# Altium PCB pcb.PcbDoc (part 2 of 2)
Units mm, origin at the board's own origin, x right, y up, seen from the top; angles counter-clockwise.
Board outline 182.3 x 81.4 mm, 4 copper layers (Top Layer, Layer 1, Layer 2, Bottom Layer), stack 1.539 mm thick; 89 components, 207 nets, 648 pads, 198 vias.
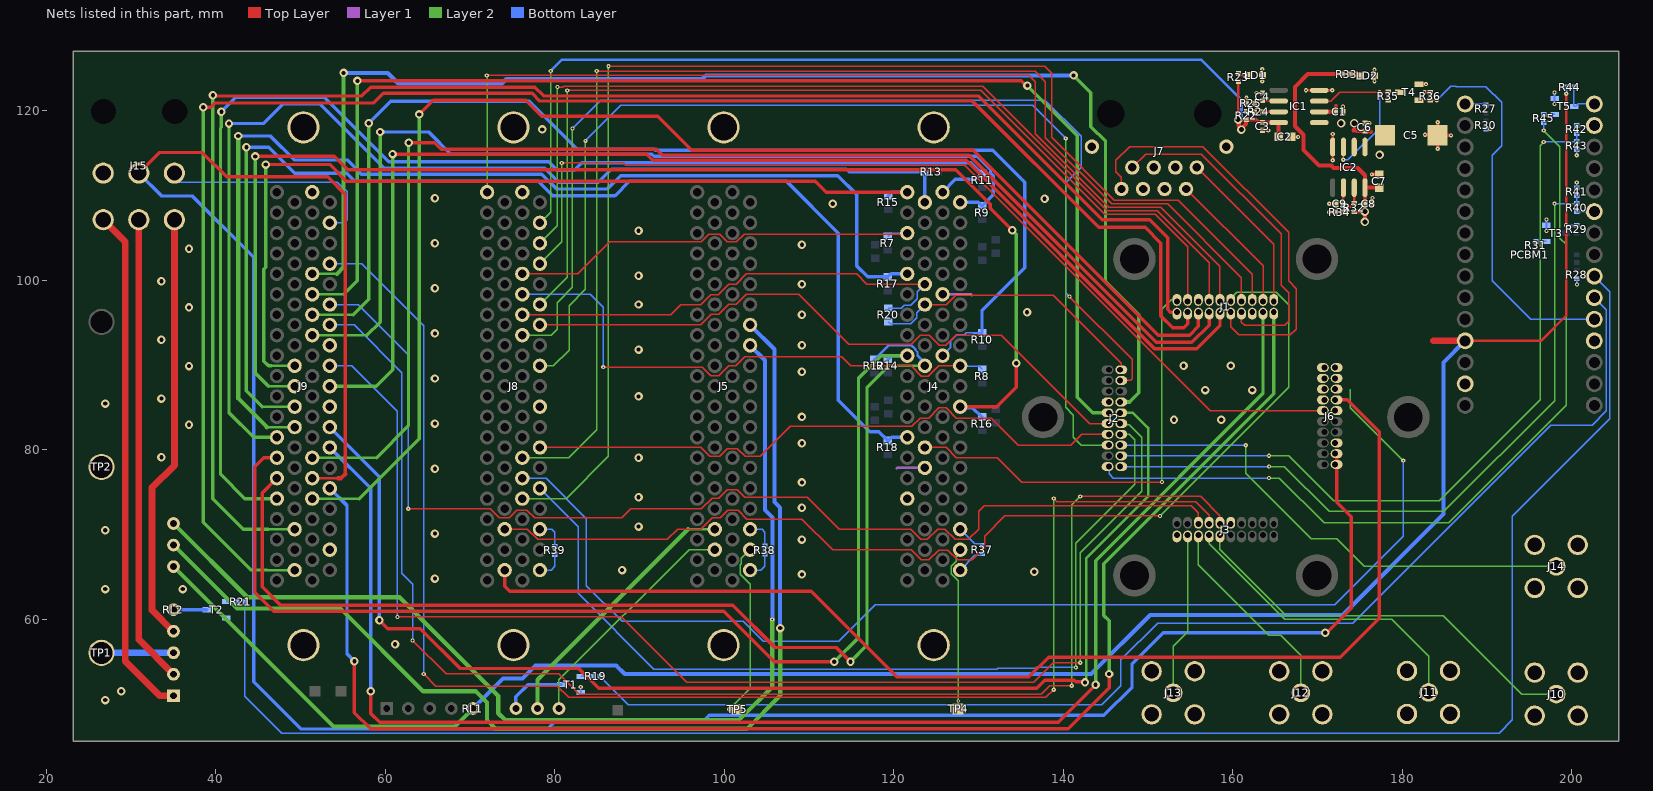
[diagram p4: the nets of this part, all layers, seen from the top]

## Via types
v1: diameter 1, hole 0.5, Top Layer to Bottom Layer, tented both sides, 96 vias
v2: diameter 0.5, hole 0.2, Top Layer to Bottom Layer, tented both sides, 94 vias
v3: diameter 1, hole 0.6, Top Layer to Bottom Layer, tented both sides, 7 vias
v4: diameter 0.4, hole 0.2, Top Layer to Bottom Layer, tented both sides, 1 vias

## Nets (pads, with @x,y where several pads share a name; then routed paths per layer and width w, separated by ;. In a path a pad name is that pad's centre, name@x,y a point inside that pad or via, vN(x,y) a via of type N, cw(c..) or ccw(c..) an arc to the next point about the centre after c; other vN are vias at no path point) (continued)
DP6: J4.3 J8.44 R7.1 | length 51
  Top Layer w0.152: J8.44@76.16,100.755 82.68,100.755 86.447,104.522 97.278,104.522 98.184,105.428 99.438,105.428 100.345,104.522 101.419,104.522 102.325,105.428 121.433,105.428 J4.3@121.579,105.575 J4.3@121.929,105.575
  Bottom Layer w0.152: R7.1@119.3,105.2 119.35,105.2 119.725,105.575 J4.3@121.579,105.575
DP7: J4.68 J8.45 R8.1 | length 64.9
  Top Layer w0.152: v2(85.7,89.758) 97.392,89.758 98.4,88.75 99.35,88.75 100.5,89.9 101.35,89.9 102.418,90.968 113.87,90.968 114.923,89.915 122.039,89.915 123.249,88.705 124.055,88.705 125.265,89.915 J4.68@127.819,89.915
  Bottom Layer w0.152: J8.45@76.16,98.345 84.18,98.345 85.7,96.825 v2(85.7,89.758) ; J4.68@127.819,89.915 127.856,89.879 130.076,89.879 R8.1@130.45,89.505
DP8: J4.60 J9.47 R9.1 | length 112.7
  Layer 2 w0.3: J9.47@51.37,93.525 57.825,93.525
  Layer 2 w0.4: 57.825,93.525 59.375,95.075 v1(59.375,117.5)
  Bottom Layer w0.4: v1(59.375,117.5) 65.1,117.5 67.7,114.9 91.45,114.9 91.7,114.65 129.866,114.65 131.395,113.12 131.395,112.68 131.725,112.35 131.725,110.075 130.45,108.8 R9.1@130.4,108.8 130.35,108.8 129.955,109.195 J4.60@127.819,109.195
DP9: J4.48 J9.46 R10.1 | length 136.7
  Layer 2 w0.3: J9.46@51.37,95.935 56.215,95.935
  Layer 2 w0.4: 56.215,95.935 58.05,97.77 v1(58.05,118.525)
  Bottom Layer w0.21: J4.48@125.739,91.115 126.664,92.04 126.664,92.803 127.441,93.58 128.298,93.58 128.518,93.8 129.334,93.8
  Bottom Layer w0.25: 129.334,93.8 R10.1@130.4,93.8
  Bottom Layer w0.4: v1(58.05,118.525) 60.65,121.125 76.975,121.125 82.6,115.5 91.699,115.5 91.849,115.35 131.65,115.35 135.425,111.575 135.425,101.482 130.4,96.457 R10.1@130.4,93.8
DP10: J4.40 J9.16 R11.1 | length 151.1
  Layer 2 w0.4: v1(40.65,119.9) 40.65,118.065 40.55,117.965 40.55,77.125 43.43,74.245 J9.16@47.21,74.245
  Bottom Layer w0.4: v1(40.65,119.9) 42.325,121.575 52.8,121.575 60.375,114 79.3,114 80.3,113 82.275,113 83.15,113.875 129.075,113.875 R11.1@130.35,112.6 ; J4.40@125.739,110.395 127.258,111.913 129.663,111.913 R11.1@130.35,112.6 ; R11.1@130.4,112.6 R11.1@130.35,112.6
DP11: J4.29 J9.15 R12.1 | length 135.8
  Top Layer w0.4: J9.15@47.21,76.655 45.46,74.905 45.46,63.84 47.625,61.675 100.975,61.675 105.975,56.675 113.185,56.675 v1(114.88,54.98)
  Layer 2 w0.3: 119.39,89.915 J4.29@123.659,89.915
  Layer 2 w0.4: v1(114.88,54.98) 116.825,56.925 116.825,87.35 119.39,89.915
  Bottom Layer w0.21: 122.532,91.795 122.532,91.858
  Bottom Layer w0.24: 122.532,91.795 122.8,91.528 122.8,91.153
  Bottom Layer w0.3: R12.1@117.7,90.7 117.75,90.7 119.375,92.325 122.075,92.325 122.532,91.868 122.532,91.858 ; 122.8,91.153 123.659,90.294 J4.29@123.659,89.915
DP12: J4.21 J9.13 R13.1 | length 132.1
  Layer 2 w0.4: v1@41.55,118.325 41.55,84.375 44.45,81.475 J9.13@47.21,81.475
  Bottom Layer w0.4: v1(41.55,118.5) 45.573,118.5 47.873,120.8 52.3,120.8 59.875,113.225 78.8,113.225 80.475,111.55 85.1,111.55 86.675,113.125 114.4,113.125 114.55,112.974 114.725,112.8 R13.1@123.637,112.8 123.659,112.777 J4.21@123.659,109.195
DP13: J4.9 J9.14 R14.1 | length 133.6
  Top Layer w0.4: J9.14@47.21,79.065 45.625,79.065 44.575,78.015 44.575,63.188 46.813,60.95 77.16,60.95 99.925,60.95 105.875,55 v1(112.975,55)
  Layer 2 w0.4: v1(112.975,55) 115.825,57.85 115.825,88.45 118.49,91.115 J4.9@121.579,91.115
  Bottom Layer w0.4: R14.1@119.3,90.7 119.35,90.7 119.765,91.115 J4.9@121.579,91.115
DP14: J4.1 J9.29 R15.1 | length 106.6
  Top Layer w0.4: v1(45.875,113.66) 45.885,113.67 53.43,113.67 55.4,111.7 110.725,111.7 112.03,110.395 J4.1@121.579,110.395
  Layer 2 w0.3: 46.525,89.905 J9.29@49.29,89.905
  Layer 2 w0.4: v1(45.875,113.66) 45.875,101.546 45.65,101.321 45.65,90.465 46.21,89.905 46.525,89.905
  Bottom Layer w0.4: R15.1@119.329,109.995 119.703,110.369 121.553,110.369 J4.1@121.579,110.395
DP15: J4.70 J9.30 R16.1 | length 153.4
  Top Layer w0.4: v1(44.65,114.621) 53.954,114.621 55.55,113.025 127.325,113.025 131.368,108.982 131.368,108.507 v1(133.975,105.9) ; J4.70@127.819,85.095 132.16,85.095 134.425,87.359 v1(134.425,90.205)
  Layer 2 w0.3: 46.21,87.505 J9.30@49.29,87.505
  Layer 2 w0.4: v1(44.65,114.621) 44.65,89.065 46.21,87.505 ; v1(133.975,105.9) 133.975,105.873 134.425,105.423 v1(134.425,90.205)
  Bottom Layer w0.4: J4.70@127.819,85.095 127.934,84.98 129.269,84.98 130.35,83.899 R16.1@130.4,83.899
DP16: J4.5 J9.32 R17.1 | length 131.3
  Layer 2 w0.3: 46.015,82.675 J9.32@49.29,82.675
  Layer 2 w0.5: v1@42.625,117.04 42.65,117.015 42.65,86.04 46.015,82.675
  Bottom Layer w0.4: v1(42.638,117.027) 46.402,117.027 49.23,114.2 55.5,114.2 57.175,112.525 78.456,112.525 80.206,110.775 86.2,110.775 87.775,112.35 113.4,112.35 115.625,110.125 115.625,101.689 116.914,100.4 R17.1@119.3,100.4 119.655,100.755 J4.5@121.579,100.755
DP17: J4.13 J9.31 R18.1 | length 140.6
  Layer 2 w0.3: 45.46,85.095 J9.31@49.29,85.095
  Layer 2 w0.4: v1(43.6,115.7) 43.6,86.955 45.46,85.095
  Bottom Layer w0.4: v1(43.6,115.7) 46.225,115.7 49.282,112.643 55.427,112.643 56.37,111.7 78.05,111.7 79.75,110 87.1,110 88.8,111.7 107.33,111.7 113.45,105.58 113.45,85.845 117.178,82.117 118.233,82.117 119.25,81.1 R18.1@119.3,81.1 119.35,81.1 119.725,81.475 J4.13@121.579,81.475
DRAIN_MUX_N: J2.20 J4.26 R20.2 | length 33.5
  Top Layer w0.152: J4.26@123.659,97.145 126.165,97.145 127.276,98.255 138.809,98.255 146.837,90.227 146.837,89.624 J2.20@146.662,89.449
  Bottom Layer w0.152: R20.2@119.329,95.11 119.558,94.882 122.016,94.882 122.69,95.555 122.69,96.175 J4.26@123.659,97.145
DRAIN_MUX_P: J4.25 J8.46 R20.1 | length 56
  Top Layer w0.152: J8.46@76.16,95.935 93.669,95.935 94.879,97.145 97.22,97.145 98.4,98.325 99.275,98.325 100.5,99.55 101.384,99.55 102.588,100.755 115.624,100.755 116.824,99.555 J4.25@123.659,99.555
  Bottom Layer w0.152: R20.1@119.329,96.71 120.865,96.71 121.21,97.055 122.005,97.055 122.782,97.832 122.782,98.677 J4.25@123.659,99.555
G0: J2.5 J8.68 | length 129.9
  Layer 2 w0.152: J8.68@78.24,89.915 79.819,89.915 81.676,91.772 81.676,97.026 83.6,98.95 v2(83.6,116.45) ; v2(140.265,116.746) 140.265,85.004 141.178,84.091 141.178,81.472 142.091,80.559 J2.5@145.392,80.559
  Bottom Layer w0.152: v2(83.6,116.45) 87.793,120.643 136.368,120.643 v2(140.265,116.746)
G1: J2.9 J8.66 | length 76.8
  Top Layer w0.152: J8.66@78.24,94.735 97.21,94.735 98.45,95.975 99.35,95.975 100.525,97.15 101.4,97.15 102.595,98.345 108.754,98.345 114.649,92.45 122.057,92.45 123.131,93.525 124.175,93.525 125.375,92.325 126.115,92.325 127.315,93.525 132.675,93.525 143.101,83.099 J2.9@145.392,83.099
G2: J2.7 J8.72 | length 73
  Top Layer w0.152: J8.72@78.24,80.275 97.224,80.275 98.278,79.222 99.461,79.222 100.358,80.118 101.541,80.118 102.438,79.222 104.248,79.222 107.785,82.759 122.109,82.759 123.088,83.738 124.103,83.738 125.303,84.938 126.176,84.938 127.376,83.738 131.512,83.738 134.691,80.559 140.892,80.559 142.162,81.829 J2.7@145.392,81.829
G3: J2.8 J8.74 | length 108.6
  Layer 2 w0.152: v2(141.475,54.325) 141.475,68.964 148.44,75.93 148.44,81.172 147.783,81.829 J2.8@146.662,81.829
  Bottom Layer w0.152: J8.74@78.24,75.455 82.75,70.945 82.75,63.05 91.675,54.125 132.136,54.125 132.235,54.224 136.724,54.224 136.825,54.325 v2(141.475,54.325)
G4: J2.10 J9.68 | length 152.1
  Top Layer w0.152: v2(61.425,60.275) 87.825,60.275 95.552,52.548 136.473,52.548 138.825,54.9 141.975,54.9 v2(142,54.875)
  Layer 2 w0.152: v2(142,54.875) 142,67.871 149.225,75.096 149.225,81.5 147.766,82.959 146.803,82.959 J2.10@146.662,83.099
  Bottom Layer w0.152: J9.68@53.45,89.915 56.035,89.915 61.425,84.525 v2(61.425,60.275)
G5: J3.12 J9.66 | length 164.9
  Top Layer w0.152: v2(63.205,57.5) 67.155,53.55 77.6,53.55 77.603,53.553 80.472,53.553 82.805,51.22 ccw(c82.913,51.327) 82.913,51.175 137.312,51.175 ccw(c137.312,51.327) 137.42,51.22 138.375,52.175 v2(141,52.175) ; v2(142,74.5) 156.213,74.5 158.473,72.24 J3.12@158.473,71.224
  Layer 2 w0.152: v2(141,52.175) 141,73.5 v2(142,74.5)
  Bottom Layer w0.152: J9.66@53.45,94.735 56.3,94.735 61.935,89.1 61.935,65.415 63.205,64.145 v2(63.205,57.5)
G6: J3.14 J9.63 | length 173.8
  Top Layer w0.152: v2(64.525,53.55) 65.95,52.125 80.277,52.125 81.55,50.852 ccw(c81.658,50.96) 81.658,50.808 137.895,50.808 ccw(c137.895,50.96) 138.002,50.852 v2(138.85,51.7) ; v2(138.85,74.245) 139.195,73.9 155.602,73.9 157.203,72.299 J3.14@157.203,71.224
  Layer 2 w0.152: v2(138.85,51.7) v2(138.85,74.245)
  Bottom Layer w0.152: J9.63@53.45,101.965 57.235,101.965 64.545,94.655 64.545,53.57 v2(64.525,53.55)
G7: J3.16 J9.65 | length 133.8
  Top Layer w0.152: v2(62.705,73.035) 72.397,73.035 73.44,71.992 74.624,71.992 75.52,72.888 76.704,72.888 77.6,71.992 87.88,71.992 88.933,73.045 97.295,73.045 98.55,74.3 99.35,74.3 100.348,75.298 101.527,75.298 102.423,74.402 109.782,74.402 113.549,70.635 121.965,70.635 123.175,69.425 123.944,69.425 125.154,70.635 126.019,70.635 127.229,69.425 128.79,69.425 130,70.635 130,72.766 130.659,73.425 155.075,73.425 155.933,72.567 155.933,71.473 156.007,71.399 155.933,71.325 J3.16@155.933,71.224
  Bottom Layer w0.152: J9.65@53.45,97.145 56.78,97.145 62.705,91.22 v2(62.705,73.035)
GATE_MUX: J2.18 J8.47 | length 126.4
  Top Layer w0.152: v2(140.718,98.085) 148.112,90.691 148.112,88.367 147.924,88.179 146.85,88.179 146.662,87.991 J2.18@146.662,88.179
  Layer 2 w0.152: J8.47@76.16,93.535 J8.47@76.16,93.525 76.17,93.535 79.547,93.535 80.257,94.245 80.257,97.381 82.068,99.193 v2(82.068,117.903)
  Bottom Layer w0.152: v2(82.068,117.903) 85.415,121.25 137.825,121.25 142.1,116.975 142.1,113.325 140.265,111.49 140.265,98.538 v2(140.718,98.085)
GND: C1.1 C2.1 C3.1 C4.1 C5.2 C6.1 C7.1 C8.1 C9.1 IC1.4 IC2.4 J1.5 J1.16 J2.13 J3.10 J3.19 J4.16 J4.34 J4.45 J4.79 J4.80 J5.79 J5.80 J6.9 J6.15 J7.3 J7.4 J7.5 J7.6 J7.SHIELD J8.40 J8.70 J8.79 J8.80 J9.40 J9.70 J9.79 J9.80 J10.2 J11.2 J12.2 J13.2 J14.2 J15.1 LD1.1 LD2.1 PCBM1.4 PCBM1.29 R25.1 R28.1 R30.1 R34.1 R36.2 R41.1 R43.1 T1.2 T2.2 T3.2 T4.2 T5.2 TP2.1 | length 31.8
  Top Layer w0.2: R25.1@161.594,120.864 v2(161.594,121.539) ; v2(162.819,122.114) C4.1@163.494,122.114 ; v2(163.475,123.5) LD1.1@163.475,124.175 ; LD1.1@163.475,124.225 v2(163.475,124.9) ; C3.1@163.494,117.664 v2(164.169,117.664)
  Top Layer w0.254: v2(168.631,122.419) IC1.4@170.194,122.419 v2(171.718,122.419) ; v2(171.775,114.173) IC2.4@171.775,115.735 v2(171.775,117.259)
  Top Layer w0.3: v2(176.7,123.475) 176.701,123.476 176.701,124.849 v2(176.7,124.85)
  Top Layer w0.4: C2.1@167.019,116.914 v2(167.694,116.914) ; v2(171.36,108.035) R34.1@172.035,108.035 ; v2(171.38,109.035) C9.1@172.055,109.035 ; C1.1@173,119.9 v2(173,120.5) ; C6.1@175.58,118.529 175.582,118.527 176.098,118.527 v2(176.1,118.525) ; v2(176.4,112.5) C7.1@177.075,112.5 ; C8.1@176.475,109.05 v2(176.475,109.725) ; T4.2@182.12,123.149 v2(182.795,123.149) ; v2(182.61,122.193) R36.2@183.285,122.193 ; v2(182.674,117.166) C5.2@183.274,117.166 ; v2(184.16,115.526) C5.2@184.16,116.126 ; C5.2@184.167,118.061 v2(184.167,118.661) ; C5.2@185.13,117.101 v2(185.73,117.101)
  Layer 1 w0.3: 120.34,77.825 120.379,77.865 J4.34@123.659,77.865 ; J4.45@125.739,98.345 129.08,98.345 129.169,98.255
  Bottom Layer w0.2: T1.2@83.05,51.355 v2(83.05,52.02) ; v2(197,105.825) T3.2@197,106.5 v2(197,107.175) ; v2(197.95,120.795) T5.2@197.95,121.445 ; T5.2@197.95,121.505 v2(197.95,122.155) ; R28.1@200.575,100.205 200.58,100.2 200.58,99.52 v2(200.6,99.5) ; R41.1@200.575,110.9 v2(200.575,111.55) ; v2(200.575,114.75) R43.1@200.575,115.4
  Bottom Layer w0.4: R30.1@189.85,117.855 v2@190.366,117.855
  other v1: 26.954,50.475 28.825,51.5 61.15,57.05 26.954,63.575 36.094,63.575 65.841,64.805 109.15,65.3 136.55,65.6 87.925,65.805 109.15,69.415 65.841,70.125 26.954,70.5 89.875,70.945 109.15,73.175 89.875,74.402 109.15,76.155 65.841,77.775 89.875,79.055 33.579,79.125 109.15,80.775 36.829,82.95 65.841,83.095 153.05,83.55 158.618,83.55 109.15,83.875 26.954,85.45 33.579,86.05 89.875,86.295 156.725,87.05 162.293,87.05 65.841,88.415 109.15,89.205 36.829,89.875 154.175,89.925 159.743,89.925 89.875,91.825 109.15,92.325 33.579,92.974 65.841,93.735 109.15,95.935 135.718,96.245 36.829,96.8 89.875,97.145 65.841,99.055 109.15,99.545 33.579,99.899 89.875,100.535 36.829,103.724 109.15,104.2 65.841,104.375 89.875,105.855 112.785,109.038 137.776,109.623 65.841,109.695 78.5,117.8
  other v2: 190.368,117.857
ICS_OUT: J1.1 J4.33 | length 52.3
  Top Layer w0.152: J4.33@123.659,80.275 126.161,80.275 127.361,79.074 132.192,79.074 135.065,76.202 v2(151.625,76.202)
  Layer 2 w0.152: v2(151.625,76.202) 151.625,96.575 152.729,97.679 153.208,97.679 153.218,97.689 J1.1@153.393,97.514
Input_HI: RL2.3 TP1.1 | length 8.5
  Bottom Layer w0.8: TP1.1@26.504,56.05 RL2.3@35,56.05
J3_+ILK: J8.76 R39.2 | length 3.6
  Bottom Layer w0.152: J8.76@78.24,70.635 79.655,70.635 79.99,70.3 R39.2@79.99,68.6
J3_-ILK: J8.78 R39.1 | length 3.3
  Bottom Layer w0.152: J8.78@78.24,65.815 79.566,65.815 79.99,66.238 R39.1@79.99,67.66
KI_GNDD: J9.77
MISO_5V: PCBM1.15 R44.1 T5.3 | length 4.8
  Bottom Layer w0.152: R44.1@200.245,122.8 200.245,120.53 T5.3@200.25,120.525 200.45,120.525 200.73,120.805 PCBM1.15@202.645,120.805
MOSI_5V: PCBM1.14 R42.2 | length 2.1
  Bottom Layer w0.152: R42.2@200.575,118.265 PCBM1.14@202.645,118.265
MUX1_+ILK: J4.76 R37.2 | length 3.4
  Bottom Layer w0.152: J4.76@127.819,70.635 129.546,68.909 130.236,68.909 R37.2@130.45,68.695
MUX1_-ILK: J4.78 R37.1 | length 3.4
  Bottom Layer w0.152: J4.78@127.819,65.815 129.546,67.541 130.236,67.541 R37.1@130.45,67.755
MUX1_D: J4.77 TP4.1 | length 19.6
  Top Layer w0.152: TP4.1@127.579,49.425 v4(127.579,50.36)
  Layer 2 w0.152: v4(127.579,50.36) 127.579,64.566 126.766,65.378 126.766,66.251 127.384,66.868 127.384,67.37 127.819,67.806 J4.77@127.819,68.225
MUX2_+ILK: J5.76 R38.2 | length 3.5
  Bottom Layer w0.152: J5.76@103.03,70.635 104.445,70.635 104.78,70.3 R38.2@104.78,68.646
MUX2_-ILK: J5.78 R38.1 | length 3.4
  Bottom Layer w0.152: J5.78@103.03,65.815 104.315,65.815 104.78,66.28 R38.1@104.78,67.706
MUX2_D: J5.77 TP5.1 | length 21.8
  Top Layer w0.152: v2(100.56,49.385) TP5.1@101.495,49.385
  Layer 2 w0.152: v2(100.56,49.385) 103.03,51.855 103.03,64.12 101.85,65.3 101.85,66.426 102.003,66.578 102.003,67.198 J5.77@103.03,68.225
MUX_PN_OUT: J3.15 J12.1 | length 24.5
  Layer 2 w0.152: J3.15@155.933,69.954 155.933,66.42 164.25,58.103 165.647,58.103 168.017,55.733 J12.1@168.017,51.325
MUX_VOL_0: J5.66 RL2.8 | length 128.6
  Layer 2 w0.5: RL2.8@35,68.76 42.485,61.275 54.7,61.275 64.475,51.5 70.675,51.5 72,50.175 72,48.1 73.025,47.075 102.675,47.075 106.6,51 v1(106.6,58.965)
  Bottom Layer w0.5: J5.66@103.03,94.735 105.9,91.864 105.9,73.85 106.575,73.175 106.575,58.99 v1(106.6,58.965)
MUX_VOL_1: J5.67 RL2.9 | length 124.5
  Layer 2 w0.5: RL2.9@35,71.3 43.7,62.6 61.675,62.6 73.325,50.95 73.325,48.925 74.15,48.1 101.73,48.1 105.65,52.02 v2(105.65,59.975)
  Bottom Layer w0.5: J5.67@103.03,92.325 104.78,90.575 104.78,72.895 105.675,72 105.675,60 v2(105.65,59.975)
NetC4_2: C4.2 IC1.6 | length 1.9
  Top Layer w0.3: C4.2@163.494,121.214 163.526,121.181 165.361,121.181 IC1.6@165.394,121.149
NetC9_2: C9.2 IC2.6 | length 1.9
  Top Layer w0.3: C9.2@173.03,109.035 173.038,109.043 173.038,110.928 IC2.6@173.045,110.935
NetIC1_3: IC1.3 IC2.3 R35.2 T4.3 | length 21.5
  Top Layer w0.152: IC1.3@170.194,121.149 171.566,121.149 172.621,122.203 v2(177.305,122.203) 178.335,122.203 R35.2@178.34,122.199 T4.3@179.66,122.199 ; v2(173.03,114.235) 173.038,114.243 173.038,115.728 IC2.3@173.045,115.735
  Bottom Layer w0.152: v2(173.03,114.235) 173.58,114.235 177.305,117.96 v2(177.305,122.203)
NetIC1_7: IC1.7 R24.1 R25.2 | length 3.3
  Top Layer w0.3: R25.2@162.564,120.864 162.564,120.844 162.704,120.704 162.745,120.704 163.156,120.293 163.156,120.261 163.509,119.909 R24.1@163.509,119.889 163.514,119.884 165.389,119.884 IC1.7@165.394,119.879
NetIC2_7: IC2.7 R32.1 R34.2 | length 3.5
  Top Layer w0.3: R34.2@173.05,108.035 173.05,108.055 173.443,108.448 173.455,108.448 173.689,108.682 173.912,108.682 174.285,109.055 R32.1@174.305,109.055 ; R32.1@174.183,109.177 174.315,109.308 IC2.7@174.315,110.935
NetLD1_2: LD1.2 R23.1 | length 1.3
  Top Layer w0.3: R23.1@160.658,124.419 160.678,124.419 160.896,124.2 LD1.2@161.85,124.2
NetLD2_2: LD2.2 R33.1 | length 1.2
  Top Layer w0.5: R33.1@173.89,124.329 174.864,124.329 LD2.2@175.052,124.141
NetR19_2: R19.2 T1.1 | length 1.3
  Bottom Layer w0.152: T1.1@83.05,53.255 R19.2@84.355,53.255
NetR21_2: R21.2 T2.1 | length 1.3
  Bottom Layer w0.152: T2.1@41.228,62.08 41.233,62.085 R21.2@42.484,62.085
NetR22_1: R22.1 R24.2 | length 1
  Top Layer w0.3: R22.1@161.594,119.909 161.604,119.899 162.559,119.899 R24.2@162.569,119.889
NetR31_2: R31.2 T3.1 | length 1.3
  Bottom Layer w0.152: R31.2@195.75,104.595 195.755,104.6 T3.1@197,104.6
NetR45_2: R45.2 T5.1 | length 1.3
  Bottom Layer w0.152: R45.2@196.675,119.565 196.685,119.575 T5.1@197.95,119.575
NetRL1_7: RL1.7 T1.3 | length 7.3
  Bottom Layer w0.4: RL1.7@75.405,49.475 75.405,50.88 76.83,52.305 T1.3@80.75,52.305
NetRL2_5: RL2.5 T2.3 | length 3.9
  Bottom Layer w0.4: RL2.5@35,61.13 T2.3@38.928,61.13
P1V8: C2.2 C3.2 IC1.8 J6.2 J6.4 J6.6 J6.8 J8.61 R22.2 R23.2 | length 118.5
  Top Layer w0.152: v3(160.607,118.969) v3@160.658,119.02
  Top Layer w0.3: v3@160.658,119.02 R23.2@160.658,123.479
  Top Layer w0.5: v3(161.013,117.781) v3@161.013,117.916 ; C2.2@165.394,116.914 IC1.8@165.394,118.609 165.391,118.611 163.496,118.611 C3.2@163.494,118.614 163.434,118.674 162.949,118.674 162.654,118.969 R22.2@161.594,118.969 R22.2@161.574,118.969 ; v3@161.013,117.916 160.702,118.227 160.702,118.873 v3(160.607,118.969) R22.2@161.574,118.969 ; v3@161.013,117.916 161.534,118.437 161.534,118.929 R22.2@161.574,118.969
  Layer 2 w0.152: J8.61@78.24,106.785 79.5,108.045 v2(79.5,124.7)
  Bottom Layer w0.3: v2(79.5,124.7) 80.8,126 156.275,126 161.013,121.262 v3@161.013,118.969
P3V3: C7.2 C8.2 IC2.8 J6.1 J6.3 J6.5 J8.54 R32.2 R33.2 | length 172.9
  Top Layer w0.5: R33.2@172.95,124.329 168.839,124.329 167.324,122.814 167.324,118.171 168.321,117.174 168.321,115.376 170.15,113.546 171.598,113.546 171.884,113.26 174.728,113.26 175.585,112.403 IC2.8@175.585,110.935 ; R32.2@174.305,108.115 175.287,108.115 v3@175.58,108.408 ; v3(175.583,106.895) 175.58,106.898 v3(175.58,108.115) v3@175.58,108.408 ; C7.2@177.28,110.947 175.597,110.947 IC2.8@175.585,110.935 ; v3@175.58,108.408 C8.2@175.58,109.047 175.583,109.05 175.583,110.932 IC2.8@175.585,110.935
  Layer 2 w0.152: 173.84,87.163 173.84,84.985 v2(180.1,78.725)
  Bottom Layer w0.152: J8.54@76.16,76.655 78.965,76.655 83.725,71.895 83.725,63.975 87.925,59.775 102.225,59.775 104.6,57.4 113.5,57.4 117.8,61.7 172,61.7 180.1,69.8 v2(180.1,78.725)
P5V0: C1.2 C5.1 C6.2 IC1.1 IC1.2 IC2.1 IC2.2 PCBM1.27 R29.2 R35.1 R44.2 RL1.5 RL2.7 | length 242.6
  Top Layer w0.3: PCBM1.27@187.405,92.865 196.353,92.865 199.31,95.821 v2(199.31,106.5) 199.31,122.01 v2(199.325,122.025)
  Top Layer w0.5: IC1.2@170.194,119.879 172.084,119.879 C1.2@172.094,119.889 172.154,119.949 172.154,120.525 ; 174.234,117.708 174.528,117.708 174.608,117.629 C6.2@175.58,117.629 175.624,117.585 176.22,117.585 176.267,117.538
  Top Layer w0.8: 183.655,92.865 PCBM1.27@187.405,92.865
  Layer 2 w0.5: RL2.7@35,66.22 53.87,47.35 68.2,47.35 RL1.5@70.325,49.475 ; 185.031,92.865 PCBM1.27@187.405,92.865
  Bottom Layer w0.3: R44.2@199.305,122.8 199.325,122.78 v2(199.325,122.025) ; v2(199.31,106.5) 199.315,106.495 R29.2@200.575,106.495
  Bottom Layer w0.5: RL1.5@70.325,49.475 73.875,53.025 76.18,53.025 77.718,54.563 87.228,54.563 88.241,53.55 143.275,53.55 150.25,60.525 172.957,60.525 184.85,72.418 184.85,90.31 PCBM1.27@187.405,92.865
  other v3: 177.305,114.807 172.76,118.529 174.315,118.529
P18V0: J9.61 J15.3 | length 26.2
  Bottom Layer w0.152: J15.3@35.229,111.575 54.347,111.575 55.475,110.447 55.475,107.15 55.11,106.785 J9.61@53.45,106.785
P18V0/P45V0_VADJ0: J5.37 RL1.8 | length 31.9
  Layer 2 w0.3: 95.714,70.635 J5.37@98.87,70.635
  Layer 2 w0.5: RL1.8@77.945,49.225 RL1.8@77.945,49.475 77.945,52.865 95.714,70.635
P18V0/P45V0_VADJ1: J5.38 RL1.9 | length 28.1
  Layer 2 w0.152: RL1.9@80.485,49.475 80.485,52.86 95.85,68.225 J5.38@98.87,68.225
P45V0: J6.17 J6.19 J9.54 J15.2 | length 290.6
  Top Layer w0.3: J9.54@51.37,76.655 54.4,76.655
  Top Layer w0.4: J15.2@30.908,112.65 33.333,115.075 38.404,115.075 41.279,112.2 53.2,112.2 55.275,110.125 55.275,77.15 ; v1(170.9,58.425) 171.05,58.425 173.95,61.325 173.95,72.125 172.237,73.838 172.237,79.368 J6.17@172.062,79.543
  Top Layer w0.5: 54.4,76.655 54.78,76.655 55.275,77.15
  Bottom Layer w0.4: J15.2@30.908,112.65 33.608,109.95 37.229,109.95 44.475,102.704 44.475,52.65 50.072,47.053 79.078,47.053 80.025,48 97.525,48 98.2,48.675 144.775,48.675 148.1,52 148.1,54.75 151.775,58.425 v1(170.9,58.425)
R34: J9.67
REL0: PCBM1.7 R21.1 | length 221
  Bottom Layer w0.152: R21.1@43.424,62.085 43.424,50.926 47.775,46.575 191.425,46.575 192.975,48.125 192.975,72.175 204.45,83.65 204.45,98.68 PCBM1.7@202.645,100.485
REL1: PCBM1.6 R19.1 | length 149.9
  Bottom Layer w0.152: R19.1@85.529,53.022 88.65,49.9 144.525,49.9 146.789,52.164 146.789,55.222 151.118,59.55 174.148,59.55 197.523,82.925 202.375,82.925 204.05,84.6 204.05,96.54 PCBM1.6@202.645,97.945
S0: J6.10 J8.63 | length 115
  Top Layer w0.152: v2(80.825,113.85) 88.06,113.85 88.335,113.575 128.348,113.575 157.3,84.623 J6.10@170.792,84.623
  Layer 2 w0.152: J8.63@78.24,101.965 80.825,104.55 v2(80.825,113.85)
S1: J1.3 J8.65 | length 113.9
  Top Layer w0.152: v2(81.45,122.401) 81.451,122.4 130.275,122.4 144.9,107.775 150.86,107.775 154.663,103.971 J1.3@154.663,97.514
  Layer 2 w0.152: J8.65@78.24,97.145 81.45,100.355 v2(81.45,122.401)
S2: J1.7 J8.62 | length 109.6
  Top Layer w0.152: v2(80.3,122.8) 80.95,122.8 81.05,122.9 130.478,122.9 145.153,108.225 151.076,108.225 157.203,102.098 J1.7@157.203,97.514
  Layer 2 w0.152: J8.62@78.24,104.375 80.3,106.435 v2(80.3,122.8) ; J1.7@157.203,97.514 J1.7@157.203,97.689
S3: J1.9 J8.1 | length 117.4
  Top Layer w0.152: v2(71.975,124.175) 72,124.2 135.931,124.2 136.685,123.446 136.685,117.316 145.375,108.625 151.506,108.625 158.473,101.658 J1.9@158.473,97.514
  Layer 2 w0.152: v2(71.975,124.175) 72,124.15 J8.1@72,110.395 J8.1@72.025,110.37
S4: J1.11 J8.37 | length 124.9
  Top Layer w0.152: J8.37@74.08,70.635 76.75,70.635 77.96,69.425 93.275,69.425 94.485,70.635 97.214,70.635 98.571,71.992 99.486,71.992 100.382,72.888 101.61,72.888 102.664,71.835 109.15,71.835 112.76,68.225 122.046,68.225 123.256,67.015 124.14,67.015 125.301,68.176 126.369,68.176 127.53,67.015 129.245,67.015 130.7,68.47 130.7,69.8 133.1,72.2 v2(151.4,72.2)
  Layer 2 w0.152: v2(151.4,72.2) 166.579,87.379 166.579,97.137 165.125,98.592 160.471,98.592 159.743,97.864 J1.11@159.743,97.514
S5: J6.7 J8.39 | length 141.1
  Top Layer w0.4: J8.39@74.08,65.815 74.08,63.911 74.691,63.3 110.225,63.3 120.325,53.2 135.925,53.2 138.25,55.525 172.65,55.525 177.25,60.125 177.25,82.115 173.472,85.893 J6.7@172.062,85.893
S6: J1.15 J8.55 | length 152
  Top Layer w0.152: v2(86.325,125.25) 137.776,125.25 138.613,124.413 138.613,116.878 146.015,109.475 153.551,109.475 162.283,100.742 J1.15@162.283,97.514
  Layer 2 w0.152: J8.55@76.16,74.245 81.345,74.245 86.325,79.225 v2(86.325,125.25)
S7: J1.13 J8.53 | length 145.3
  Top Layer w0.152: v2(84.95,124.695) 84.995,124.65 136.685,124.65 137.888,123.446 137.888,116.837 145.7,109.025 152.31,109.025 161.013,100.321 J1.13@161.013,97.514
  Layer 2 w0.152: J8.53@76.16,79.065 81.665,79.065 84.95,82.35 v2(84.95,124.695)
S8: J1.18 J9.72 | length 173.3
  Top Layer w0.4: v1(58.275,51.5) 58.275,48.89 59.315,47.85 139.375,47.85 v1(143.8,52.275)
  Layer 2 w0.4: v1(143.8,52.275) 143.8,66.925 163.553,86.678 J1.18@163.553,96.244
  Bottom Layer w0.4: J9.72@53.45,80.275 58.275,75.45 v1(58.275,51.5)
S9: J1.20 J9.74 | length 172.4
  Top Layer w0.4: v1(56.35,55.05) 56.35,49 58.275,47.075 140.55,47.075 145.392,51.917 v1(145.392,53.55)
  Layer 2 w0.4: v1(145.392,53.55) 145.392,59.81 144.75,60.452 144.75,66.55 164.823,86.623 J1.20@164.823,96.244
  Bottom Layer w0.4: J9.74@53.45,75.455 55.475,73.43 55.475,55.925 v1(56.35,55.05)
S10: J1.2 J9.37 | length 188.9
  Top Layer w0.4: v1(39.65,121.825) 39.724,121.751 57.226,121.751 58.275,122.8 77.616,122.8 78.665,121.751 129.968,121.751 144.569,107.15 150.2,107.15 152.31,105.041 152.31,96.561 152.625,96.245 J1.2@153.392,96.245
  Layer 2 w0.3: 46.21,70.635 J9.37@49.29,70.635
  Layer 2 w0.4: v1(39.65,121.825) 39.65,74.2 43.215,70.635 46.21,70.635
S11: J1.4 J9.39 | length 196.9
  Top Layer w0.4: v1(38.525,120.415) 39.422,120.415 39.932,120.925 58.625,120.925 59.775,122.075 77.31,122.075 78.233,121.151 129.274,121.151 144.175,106.25 149.65,106.25 151.506,104.394 151.506,95.791 152.895,94.402 154.194,94.402 154.663,94.872 J1.4@154.663,96.244
  Layer 2 w0.3: 46.015,65.815 J9.39@49.29,65.815
  Layer 2 w0.4: v1(38.525,120.415) 38.525,71.475 44.185,65.815 46.015,65.815
S12: J1.6 J9.55 | length 160
  Top Layer w0.4: v1(64,119.575) 65.675,121.25 76.565,121.25 78.44,119.375 92.15,119.375 96.172,115.353 129.354,115.353 151.182,93.525 154.89,93.525 155.933,94.568 J1.6@155.933,96.244
  Layer 2 w0.3: J9.55@51.37,74.245 56.92,74.245
  Layer 2 w0.4: 56.92,74.245 64,81.325 v1(64,119.575)
S13: J1.8 J9.53 | length 152.9
  Top Layer w0.4: v1(62.75,116.225) 65.841,116.225 66.591,115.475 91.975,115.475 92.697,114.753 128.861,114.753 150.939,92.675 155.158,92.675 157.203,94.721 J1.8@157.203,96.244
  Layer 2 w0.3: J9.53@51.37,79.065 58.96,79.065
  Layer 2 w0.4: 58.96,79.065 62.725,82.83 v1@62.725,116.225
S14: J1.10 J9.69 | length 143.5
  Top Layer w0.4: v1(60.85,114.9) 60.875,114.875 90.85,114.875 91.572,114.153 128.522,114.153 150.75,91.925 155.76,91.925 158.473,94.638 J1.10@158.473,96.244
  Layer 2 w0.4: J9.69@53.45,87.505 58.905,87.505 60.85,89.45 v1(60.85,114.9)
S15: J2.12 J9.71 | length 149.5
  Top Layer w0.4: v1(59.293,59.878) 60.264,58.906 64.125,58.906 68.831,54.2 82.825,54.2 85.15,51.875 136.85,51.875 137.8,52.825 141.269,52.825 141.45,52.644 142.454,52.644 v1(142.55,52.548)
  Layer 2 w0.3: v1(142.55,52.548) 142.672,52.67 142.672,67.172 150,74.5 150,82.578 148.209,84.369 J2.12@146.662,84.369
  Bottom Layer w0.4: J9.71@53.45,82.685 59.293,76.841 v1(59.293,59.878)
S16: J2.14 J9.44 | length 157.3
  Layer 2 w0.3: J9.44@51.37,100.755 54.28,100.755
  Layer 2 w0.4: v1(141.2,124.175) 141.2,124.154 143.24,122.114 143.24,118.123 144.975,116.389 144.975,99.825 148.875,95.925 148.875,86.725 147.789,85.639
  Layer 2 w0.5: 54.28,100.755 55.075,101.55 55.075,101.965 v1(55.075,124.475) ; J2.14@146.662,85.639 147.789,85.639
  Bottom Layer w0.5: v1(55.075,124.475) 60.275,124.475 61.525,123.225 73.75,123.225 74.25,123.725 97.35,123.725 97.8,124.175 v1(141.2,124.175)
S17: J2.11 J9.45 | length 152.6
  Top Layer w0.4: v1(56.705,123.525) 135.038,123.525 135.588,122.975 v1(135.75,122.975)
  Layer 2 w0.3: J9.45@51.37,98.345 55.095,98.345
  Layer 2 w0.4: 55.095,98.345 56.675,99.925 56.675,123.495 v1(56.705,123.525) ; v1(135.75,122.975) 141.65,117.075 141.65,86.204 143.485,84.369 J2.11@145.392,84.369
SCK_5V: PCBM1.16 R27.2 | length 2.5
  Bottom Layer w0.152: PCBM1.16@187.405,120.805 189.74,120.805 R27.2@189.85,120.695
SHDN: PCBM1.5 R36.1 T4.1 | length 46.7
  Top Layer w0.152: T4.1@181.96,121.249 181.97,121.259 v2(184.067,121.259)
  Bottom Layer w0.152: v2(184.067,121.259) 185.708,122.9 186.275,122.9 186.325,122.85 189.85,122.85 191.711,120.989 191.711,115.886 190.575,114.75 190.575,99.972 195.142,95.405 PCBM1.5@202.645,95.405
SPI_CSn: J2.2 R40.1 R41.2 | length 85.7
  Layer 2 w0.152: v2(164.273,78.031) 166.049,78.031 171.35,72.73 184.876,72.73 197.95,85.804 v2(197.95,109.05)
  Bottom Layer w0.152: J2.2@146.662,78.019 v2@164.273,78.019 ; v2(197.95,109.05) 197.955,109.045 R40.1@200.575,109.045 R41.2@200.575,109.98
SPI_CSn_5V: PCBM1.10 R40.2 | length 2.1
  Bottom Layer w0.152: R40.2@200.575,108.105 PCBM1.10@202.645,108.105
SPI_MISO: J2.1 R45.1 | length 97.4
  Layer 2 w0.152: v2(164.262,76.666) 165.484,76.666 170.785,71.365 185.441,71.365 199.31,85.234 199.31,104.229 198.57,104.969 198.57,115.775 v2(196.675,117.67)
  Bottom Layer w0.152: J2.1@145.392,78.019 145.392,77.158 145.896,76.655 164.232,76.655 v2@164.262,76.625 ; v2(196.675,117.67) R45.1@196.675,118.625
SPI_MOSI: J2.4 R42.1 R43.2 | length 92.2
  Layer 2 w0.152: v2(164.262,79.301) 166.575,79.301 171.876,74 184.35,74 196.25,85.9 196.25,115.9 v2(196.675,116.325)
  Bottom Layer w0.152: J2.4@146.662,79.289 v2@164.262,79.289 ; v2(196.675,116.325) 200.53,116.325 R43.2@200.575,116.37 R42.1@200.575,117.325
SYNC_IO_N: J3.11 J10.1 | length 48.4
  Layer 2 w0.152: J3.11@158.473,69.954 158.473,68.269 166.292,60.45 184.834,60.45 194.109,51.175 J10.1@198.15,51.175
SYNC_IO_P: J3.13 J11.1 | length 36.7
  Layer 2 w0.152: J3.13@157.203,69.954 157.235,69.922 157.235,68.94 166.142,60.033 178.717,60.033 183.083,55.667 J11.1@183.083,51.375
SYNC_UNI_IN: J2.6 J14.1 | length 59.4
  Layer 2 w0.152: v2(161.525,80.55) 161.513,80.538 161.513,77.243 169.231,69.525 172.23,69.525 175.513,66.242 J14.1@198.15,66.242
  Bottom Layer w0.152: J2.6@146.662,80.559 161.516,80.559 v2(161.525,80.55)
SYNC_UNI_OUT: J3.17 J13.1 | length 19.3
  Layer 2 w0.152: J13.1@152.95,51.325 152.95,56.8 154.663,58.513 J3.17@154.663,69.954
Thermometer_1_1: J1.14 J7.7 | length 39.9
  Top Layer w0.152: J7.7@148.125,113.313 149.713,114.9 156.284,114.9 165.7,105.484 165.7,99.413 166.579,98.533 166.579,95.164 166.115,94.7 161.375,94.7 161.013,95.062 J1.14@161.013,96.244
Thermometer_1_2: J1.19 J7.1 | length 19.6
  Top Layer w0.152: J7.1@155.745,113.313 164.823,104.235 J1.19@164.823,97.514
Thermometer_1_3: J1.17 J7.2 | length 17
  Top Layer w0.152: J7.2@154.475,110.773 163.553,101.695 J1.17@163.553,97.514
Thermometer_1_4: J1.12 J7.8 | length 50.8
  Top Layer w0.152: J7.8@146.855,110.773 146.855,112.157 146.204,112.808 146.204,114.153 147.824,115.773 156.457,115.773 166.579,105.651 166.579,99.921 167.475,99.025 167.475,94.236 166.789,93.55 160.7,93.55 159.743,94.507 J1.12@159.743,96.244
V-SOURCE_HI: J15.5 RL2.2 | length 55.3
  Top Layer w0.8: J15.5@30.908,107.15 30.908,57.602 RL2.2@35,53.51
VADJ1: J15.6 RL2.4 | length 50.7
  Top Layer w0.8: RL2.4@34.96,58.59 32.475,61.075 32.475,75.54 35.108,78.174 J15.6@35.108,107.15
VADJ2: J15.4 RL2.1 | length 60.5
  Top Layer w0.8: J15.4@26.708,107.15 29.3,104.558 29.3,55.075 33.405,50.97 RL2.1@35,50.97
pads on no net: IC1.5 IC2.5 J4.7 J4.8 J4.17 J4.18 J4.19 J4.20 J4.27 J4.28 J4.35 J4.36 J4.37 J4.38 J4.39 J4.46 J4.47 J4.53 J4.54 J4.55 J4.56 J4.57 J4.58 J4.59 J4.64 J4.65 J4.66 J4.67 J4.71 J4.72 J4.73 J4.74 J4.75 J5.1 J5.2 J5.3 J5.4 J5.5 J5.6 J5.7 J5.8 J5.9 J5.10 J5.11 J5.12 J5.13 J5.14 J5.15 J5.16 J5.17 J5.18 J5.21 J5.22 J5.23 J5.24 J5.25 J5.26 J5.27 J5.28 J5.29 J5.30 J5.31 J5.32 J5.33 J5.34 J5.35 J5.36 J5.39 J5.40 J5.41 J5.42 J5.43 J5.44 J5.45 J5.48 J5.49 J5.50 J5.51 J5.52 J5.53 J5.54 J5.55 J5.56 J5.57 J5.58 J5.59 J5.60 J5.61 J5.62 J5.63 J5.64 J5.65 J5.68 J5.69 J5.70 J5.71 J5.72 J5.73 J5.74 J5.75 J7.M1 J7.M2 J8.8 J8.11 J8.12 J8.50 J8.51 J8.52 J8.56 J8.57 J8.58 J8.59 J8.75 J9.8 J9.11 J9.12 J9.50 J9.51 J9.52 J9.56 J9.57 J9.58 J9.59 J9.75 J15.7 PCBM1.1 PCBM1.2 PCBM1.3 PCBM1.11 PCBM1.12 PCBM1.13 PCBM1.17 PCBM1.18 PCBM1.19 PCBM1.20 PCBM1.21 PCBM1.22 PCBM1.23 PCBM1.24 PCBM1.25 PCBM1.26 PCBM1.28 PCBM1.30

## Polygon pours and split planes (outlines as drawn)
GND on Layer 2 "GND_L03_P024" (solid, remove dead copper, pour order 24): 23.325,126.875 205.375,126.875 205.375,45.725 23.325,45.725
P5V0 on Layer 2 "P5V0_L03_P022" (solid, remove dead copper, pour order 22): 188.627,91.212 188.627,119.873 181.61,119.873 179.735,121.749 174.035,121.749 173.035,120.749 169.244,120.749 169.278,120.714 169.278,117.225 173.995,117.225 174.23,116.99 174.23,113.835 178.26,113.835 179.41,112.685 179.41,93.465 181.675,91.2
P3V3 on Layer 2 "P3V3_L03_P020" (solid, pour order 20): 171.425,86.608 177.03,86.608 177.03,109.497 171.437,109.497 171.425,109.485
P1V8 on Layer 2 "P1V8_L03_P018" (solid, pour order 18): 171.425,85.2 171.425,112.425 164,119.85 159.743,119.85 159.743,104.957 167.475,97.225 167.475,85.2
GND on Top Layer "GND_L01_P025" (solid, remove dead copper, pour order 25): 23.325,126.875 205.375,126.875 205.375,45.725 23.325,45.725
P5V0 on Top Layer "P5V0_L01_P021" (solid, pour order 21): 188.627,91.212 188.627,119.873 181.61,119.873 179.735,121.749 172.799,121.749 171.799,120.749 168.597,120.749 168.597,117.225 173.535,117.225 173.535,113.835 178.26,113.835 179.41,112.685 179.41,93.465 181.675,91.2
GND on Layer 1 "GND_L02_P023" (solid, pour order 23): 23.325,126.875 23.325,45.725 205.375,45.725 205.375,126.875
GND on Bottom Layer "GND_L04_P019" (solid, remove dead copper, pour order 19): 23.325,126.875 205.375,126.875 205.375,45.725 23.325,45.725

## Keep-outs
Bottom Layer:
  circle w0.254: c159.148,83.847 r18.55

## Other copper
Top Layer:
  pour cut-out: 28.259,107.979 33.558,107.979 33.558,106.321 28.254,106.321

## Silkscreen, mask and mechanical layers (free items; w line width, h text height)
Top Overlay:
  text "P3V3" at 178.534,124.123 h1
  text "P1V8" at 165.077,124.043 h1
  text "Thermometer" at 139.95,106.2 h1.52
  text "GND" at 25.608,84.896 h1.52 r270
  text "SYNC_UNI_IN" at 188.882,71.544 h1.52
  text "Input_HI" at 25.679,69.546 h1.52 r270
  text "CRYO ASIC2 Test CTRL PANEL v1.0 / WUT ISE 2024.02" at 173.922,64.519 h1.4
  text "SYNC_UNO_OUT" at 144.063,58.944 h1.52
  text "SYNC_IO_P" at 176.608,58.944 h1.52
  text "MUX_PN_OUT" at 160.653,55.778 h1.52
  text "SYNC_IO_N" at 191.675,55.778 h1.52
Mechanical 1:
  the board outline again, w0.254
Mechanical 2:
  circle w0.254: c159.148,83.847 r24.6
  lines w0.254: 137.598,83.847 cw(c159.148,83.847) 148.373,102.51 ; 148.373,65.184 ccw(c159.148,83.847) 169.923,65.184 ; 169.923,102.51 cw(c159.148,83.847) 180.698,83.847

## Text inside footprints (layer, text, board x,y; h text height)
J4: Top Overlay "20" at 121.549,58.705 h1.2 r90; Top Overlay "1" at 121.551,114.621 h1.2 r90; Top Overlay "60" at 128.481,113.746 h1.2 r90; Top Overlay "78" at 128.731,59.446 h1.2 r90; Mechanical 14 "60" at 128.481,113.746 h1.2 r90; Mechanical 14 "1" at 121.551,114.621 h1.2 r90; Mechanical 14 "78" at 128.731,59.446 h1.2 r90
J5: Top Overlay "20" at 96.76,58.705 h1.2 r90; Top Overlay "1" at 96.762,114.621 h1.2 r90; Top Overlay "60" at 103.691,113.746 h1.2 r90; Top Overlay "78" at 103.941,59.446 h1.2 r90; Mechanical 14 "60" at 103.691,113.746 h1.2 r90; Mechanical 14 "1" at 96.762,114.621 h1.2 r90; Mechanical 14 "78" at 103.941,59.446 h1.2 r90
J8: Top Overlay "20" at 71.97,58.705 h1.2 r90; Top Overlay "1" at 71.972,114.621 h1.2 r90; Top Overlay "60" at 78.901,113.746 h1.2 r90; Top Overlay "78" at 79.151,59.446 h1.2 r90; Mechanical 14 "60" at 78.901,113.746 h1.2 r90; Mechanical 14 "1" at 71.972,114.621 h1.2 r90; Mechanical 14 "78" at 79.151,59.446 h1.2 r90
J9: Top Overlay "20" at 47.18,58.705 h1.2 r90; Top Overlay "1" at 47.182,114.621 h1.2 r90; Top Overlay "60" at 54.112,113.746 h1.2 r90; Top Overlay "78" at 54.362,59.446 h1.2 r90; Mechanical 14 "60" at 54.112,113.746 h1.2 r90; Mechanical 14 "1" at 47.182,114.621 h1.2 r90; Mechanical 14 "78" at 54.362,59.446 h1.2 r90
J15: Top Overlay "8" at 37.075,106.475 h1.2; Top Overlay "1" at 24.333,111.7 h1.2; Mechanical 14 "8" at 37.075,106.475 h1.2; Mechanical 14 "1" at 24.333,111.7 h1.2
PCBM1: Top Overlay "1" at 190.316,82.129 h1.2; Mechanical 14 "1" at 190.316,82.129 h1.2